# KiCad board unibone.kicad_pcb (continued)
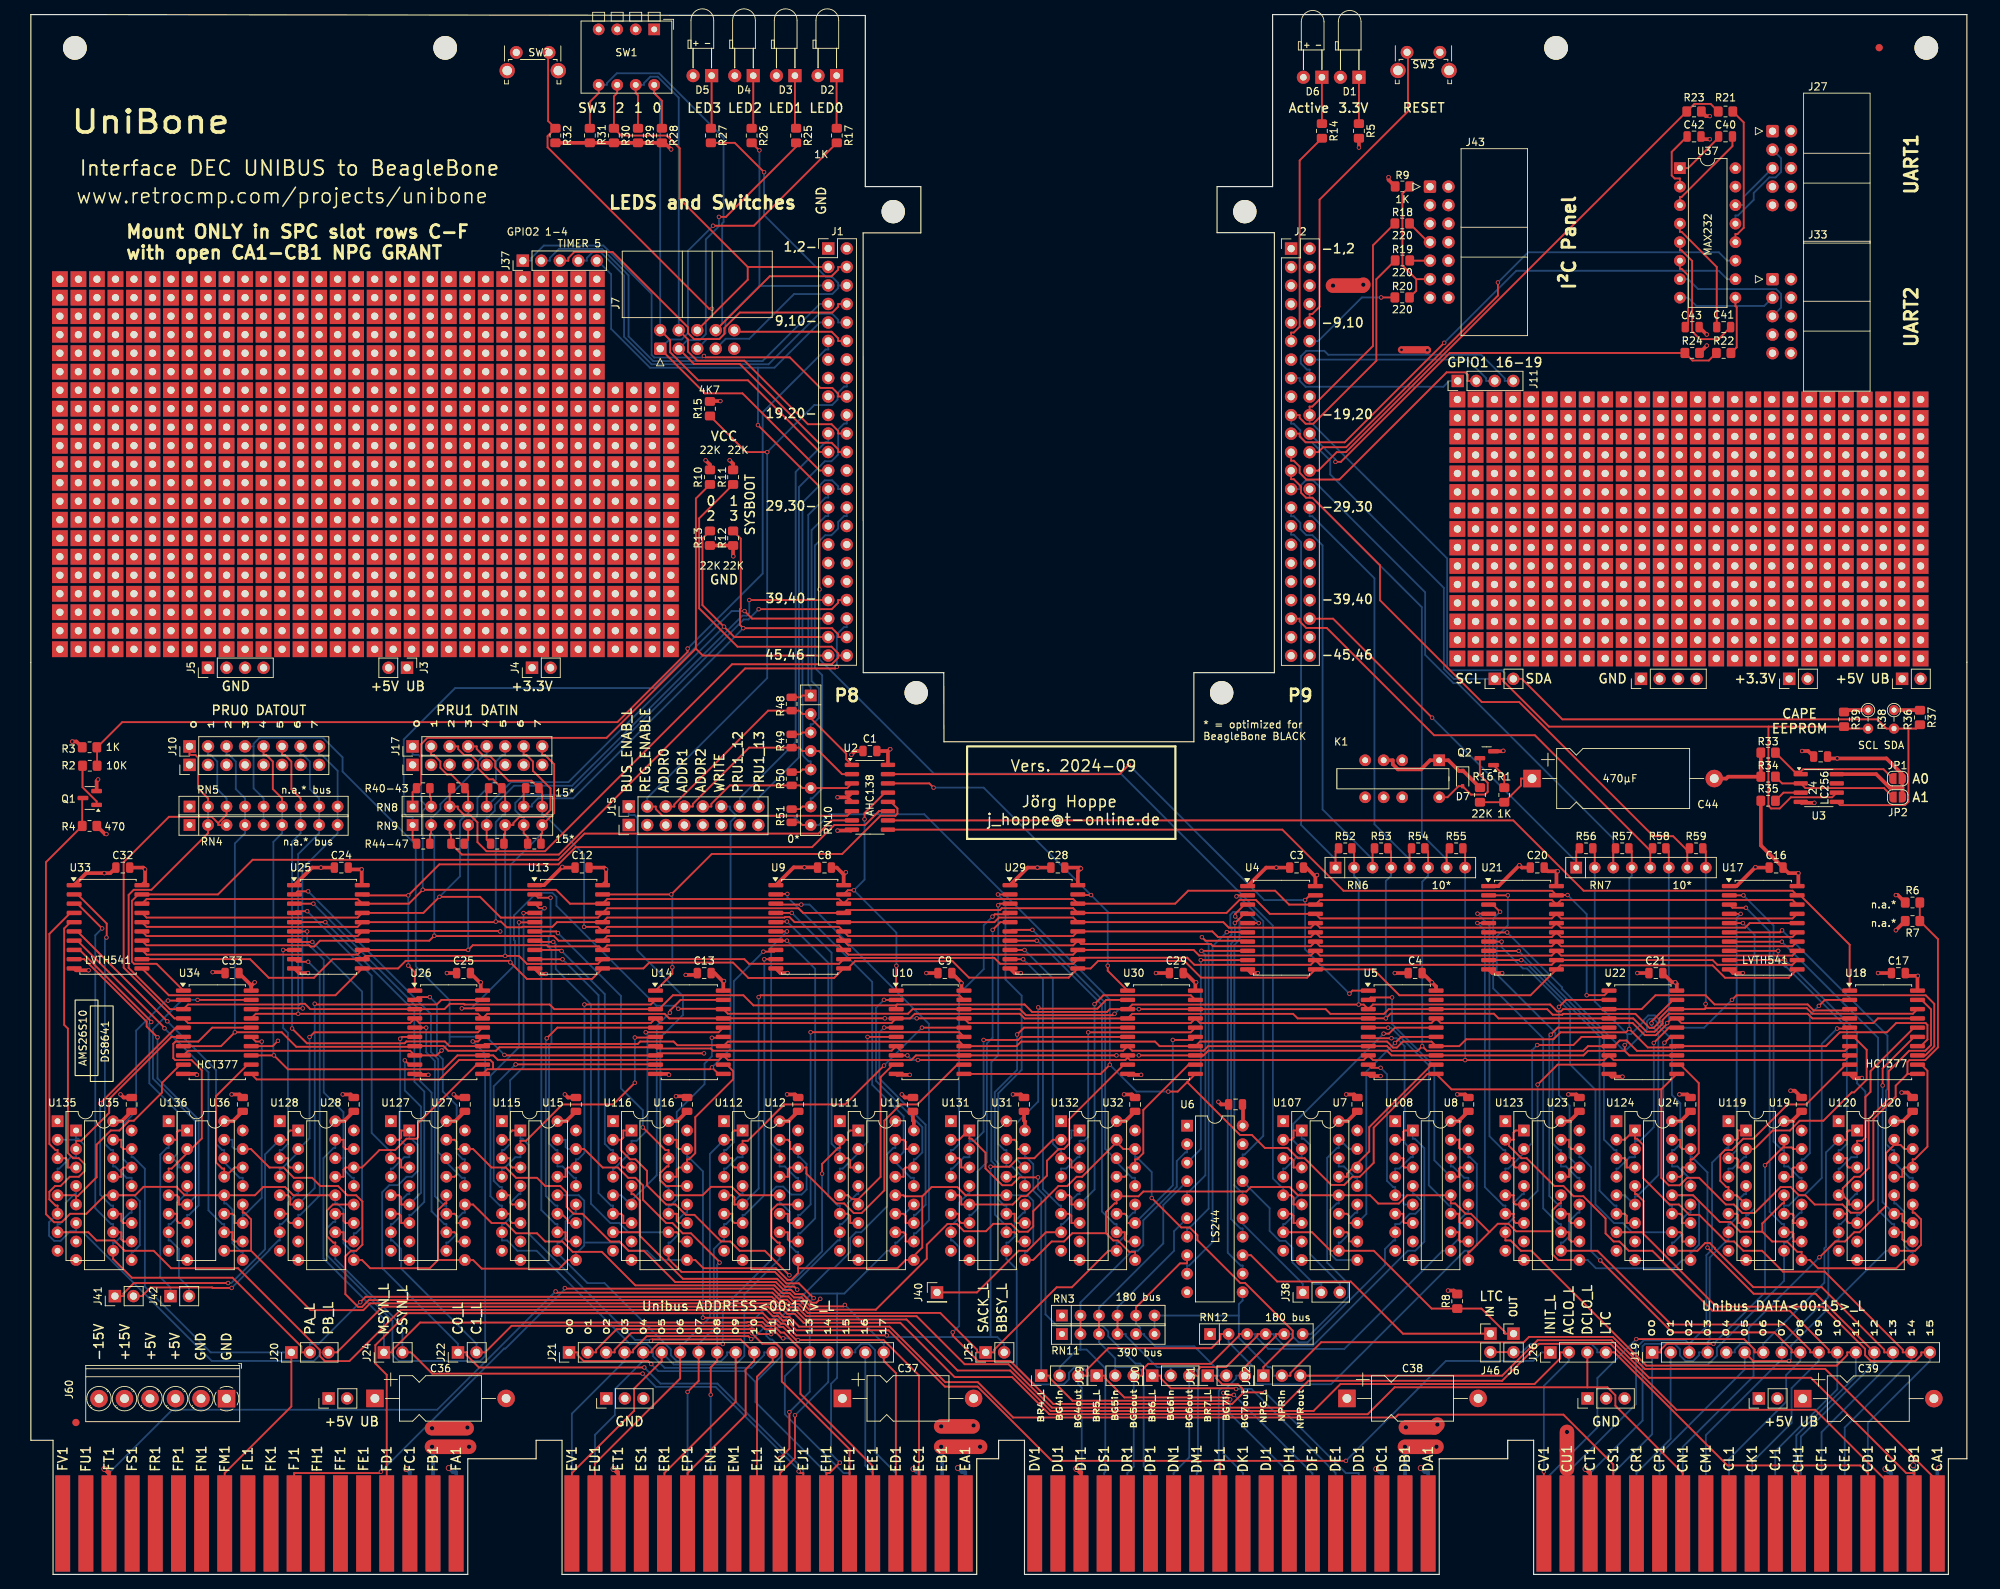
[diagram p0: board, top side]
## Routing (per net, layer and track width the routed paths; a pad name or vN(x,y) marks a point on that pad's centre or on a via; arc(x,y) is an arc through that point) (continued)
  Bottom w0.25: U112.12 102.73,50.92 102.96,50.92 104.14,49.74 104.14,45.13 104.99,44.28 105.27,44.28 U12.9 ; U124.12 228.06,52.05 228.87,51.24 228.87,45.27 227.88,44.28 227.7,44.28 U24.9 226.57,43.16 225.44,42.03 214.71,42.03 213.58,43.16 U23.9 ; J15.1 82.03,104.23 82.83,104.23 83.2,103.87 83.2,85.65 89.47,79.38 89.47,76.8 86.36,73.7 86.36,54.02 87.21,53.17 87.49,53.17 U116.12 ; U131.12 136.76,52.05 137.52,51.29 137.52,45.19 136.62,44.28 136.38,44.28 U31.9 ; 75.92,45.56 75.92,51.3 75.16,52.05 U115.12 ; 75.92,45.56 75.92,45.13 75.07,44.28 74.79,44.28 U15.9 ; 75.92,45.56 80.88,45.56 82,44.43 84.54,44.43 85.81,43.16 U16.9 ; U35.9 13.83,44.28 14.03,44.28 14.95,45.21 14.95,51.25 14.15,52.05 U135.12 ; U120.12 255.64,50.92 255.87,50.92 257.05,49.74 257.05,45.13 257.89,44.28 258.18,44.28 U20.9 ; U28.9 44.31,44.28 44.07,44.28 42.89,45.47 42.89,50.08 42.05,50.92 41.77,50.92 U128.12 ; U36.9 29.07,44.28 28.83,44.28 27.65,45.47 27.65,50.08 26.81,50.92 26.53,50.92 U136.12 ; U7.9 179.11,43.16 178.3,43.97 178.3,50.07 179.15,50.92 179.44,50.92 U107.12
BUTTON: length 66.2
  Top w0.25: J7.10 96.71,170.59 109.86,170.59 110.76,169.68 110.76,169.32 J1.12 ; SW2.2 70.96,208.78 70.96,199.52 R32.1 70.89,197.44 70.89,195.91 93.06,173.74 v1(93.45,173.74)
  In2.Cu w0.25: v1(93.45,173.74) 96.4,170.79 J7.10
GPIO1_0__32: length 72.5
  Top w0.25: J1.25 108.22,151.54 97.63,162.13 92.47,162.13 J7.1 ; v1(93.59,185.14) 99.2,185.14 R17.2
  Bottom w0.25: J7.1 87.61,169.52 89.29,169.52 90.15,170.38 90.15,181.7 v1(93.59,185.14)
GPIO1_1__33: length 65.6
  Top w0.25: R25.2 104.99,195.98 95.35,186.35 v1(94.4,186.35) ; J1.24 110.76,154.08 110.76,154.44 109.86,155.35 108.07,155.35 97.25,166.17 90.97,166.17 J7.3
  Bottom w0.25: J7.3 90.06,169.43 91.77,169.43 92.6,170.26 92.6,183.26 94.4,185.06 v1(94.4,186.35)
GPIO1_2__34: length 42.7
  Top w0.25: v1(99.95,195.48) 99.93,195.48 R26.2
  Bottom w0.25: J7.5 92.79,169.62 94.49,169.62 95.3,170.43 95.3,172.21 99.95,176.87 ; J1.5 108.22,176.94 108.16,176.87 99.95,176.87 ; 99.95,176.87 99.95,176.87 v1(99.95,195.48)
GPIO1_3__35: length 51
  Top w0.25: R27.2 96.57,196.51 v1(100.59,192.49)
  Bottom w0.25: 110.76,176.94 J1.6 ; 110.76,176.94 110.76,177.28 109.92,178.12 109.07,178.12 100.59,186.6 v1(100.59,192.49) ; 110.76,176.94 110.76,176.57 109.95,175.76 104.71,175.76 98.57,169.62 95.33,169.62 J7.7
GPIO1_4__36: length 71.4
  Top w0.25: R28.1 86.57,202.29 85.52,203.34 SW1.8 ; J7.2 87.71,169.43 87.71,167.77 91.56,163.92 98.38,163.92 108.22,154.08 J1.23
  Bottom w0.25: SW1.8 85.52,203.34 86.34,202.52 J7.2
GPIO1_5__37: length 75.8
  Top w0.25: J7.4 90.15,169.52 90.15,167.86 91.39,166.62 97.88,166.62 106.61,157.89 109.86,157.89 110.76,156.98 110.76,156.62 J1.22 ; SW1.7 82.98,203.34 83.3,203.03 R29.1
  Bottom w0.25: J7.4 88.88,202.72 86,205.6 85,205.6 84.11,204.7 84.11,204.47 SW1.7
GPIO1_6__38: length 59.1
  Top w0.25: J7.6 98.35,177.72 98.35,179.48 ; J1.3 98.35,179.48 ; 98.35,179.48 89.02,188.81 89.02,195.76 87.26,197.51 80.99,197.51 R30.1 79.99,202.9 80.44,203.34 SW1.6
GPIO1_7__39: length 76.7
  Top w0.25: J1.4 110.76,179.48 110.76,179.11 109.86,178.21 101.38,178.21 J7.8 ; SW1.5 77.9,203.34 76.69,202.14 R31.1
  Bottom w0.25: SW1.5 79.03,204.47 79.03,204.7 80.39,206.07 86.18,206.07 95.04,197.21 95.04,185.65 94.85,185.46 94.85,171.68 J7.8
GPIO1_14__46: length 110.8
  Top w0.25: J15.2 85.74,105.41 85.74,105.04 86.65,104.14 112,104.14 U2.6 ; v1(101.02,154.06) 98.12,154.06 R15.1
  Bottom w0.25: J1.16 111.94,163.06 111.57,163.06 110.67,162.16 110.67,161.27 109.92,160.52 107.48,160.52 v1(101.02,154.06) 101.02,123.04 84.57,106.59 J15.2
GPIO1_16_48: length 23.9
  Bottom w0.25: J11.1 194.58,163.83 193.79,163.03 174.89,163.03 174.07,163.85 174.07,164.22 J2.15
GPIO1_17_49: length 35.2
  Top w0.25: J2.23 172.9,152.88 173.27,152.88 174.07,152.07 174.07,151.22 174.99,150.3 179.52,150.3 194.23,165.01 196.78,165.01 197.12,164.66 197.12,163.83 J11.2
GPIO1_18_50: length 26.8
  Bottom w0.25: J2.14 197.1,166.76 199.66,164.2 199.66,163.83 J11.3
GPIO1_19_51: length 35.1
  Bottom w0.25: J11.4 202.2,163.83 202.2,164.2 198.97,167.43 177.99,167.43 177.45,167.96 174.98,167.96 174.22,167.21 174.22,166.24 175.07,165.39 175.44,165.39 J2.16
GPIO2_1_65: length 59.4
  Top w0.25: J1.18 110.76,161.7 110.76,162.06 109.95,162.87 108.32,162.87 104.12,167.07 92.53,167.07 v1(92.34,167.26)
  Bottom w0.25: v1(92.34,167.26) 92.13,167.05 85.53,167.05 85.17,167.41 85.17,175.79 78.54,182.42 70.37,182.42 68.66,180.71 68.66,180.34 J37.1
GPIO2_2_66: length 54.8
  Bottom w0.25: J1.7 108.22,174.4 100.39,166.56 85.37,166.56 82,169.94 82,178.32 78.35,181.97 72.47,181.97 71.2,180.71 71.2,180.34 J37.2
GPIO2_3_67: length 48.2
  Top w0.25: J37.3 73.74,180.34 73.74,180.71 74.57,181.54 79.81,181.54 90.15,171.19 90.15,170.4 90.97,169.58 94.45,169.58 95.14,170.27 95.14,171.09 97.27,173.22 109.95,173.22 110.76,174.03 110.76,174.4 J1.8
GPIO2_4_68: length 52.4
  Bottom w0.25: J37.4 76.28,180.34 76.28,180.71 77.1,181.52 78.17,181.52 81.39,178.3 81.39,169.89 85.17,166.11 101.21,166.11 108.14,173.05 109.94,173.05 110.76,172.22 110.76,171.86 J1.10
I2C2_SCL: length 158.1
  Top w0.25: 238.39,116.38 238.39,105.5 238.74,105.14 239.94,105.14 241.47,106.68 247.13,106.68 U3.6 ; 238.39,116.38 208.27,116.38 202.01,122.64 202.01,122.94 J59.1 ; 238.39,116.38 R39.2 249.02,116.11 R38.2 ; J2.19 174.07,159.14 174.07,158.77 174.89,157.96 175.94,157.96 184.59,166.61 184.59,177.79 R19.1
  Bottom w0.25: J2.19 172.9,157.96 173.26,157.96 174.17,157.06 174.17,156.17 174.91,155.42 175.74,155.42 178.26,152.9 178.26,151.01 193.86,135.41 193.86,124.3 195.22,122.94 J59.1
I2C2_SDA: length 163.3
  Top w0.25: J2.20 175.44,160.31 175.81,160.31 184.13,168.64 184.13,182.44 R18.1 ; 257.59,116.11 257.59,106.06 257.13,105.6 248.21,105.6 U3.5 ; 257.59,116.11 R36.2 254.58,116.11 253.31,117.38 210.11,117.38 204.55,122.94 J59.2 ; 257.59,116.11 258.64,116.11 R37.2
  Bottom w0.25: J59.2 202.2,122.94 202.2,123.74 201.84,124.11 194.69,124.11 194.31,124.49 194.31,139.46 175.8,157.96 175.44,157.96 J2.20
LED_BUS_ACTIVITY: length 29.8
  Top w0.25: R14.2 174.07,194.1 174.07,171.28 173.27,170.47 172.9,170.47 J2.11
LTC_IN: length 38.5
  Top w0.25: U6.13 167.37,43.82 170.98,40.21 181.08,40.21 188.24,33.05 J46.1
LTC_OUT: length 52.9
  Top w0.25: U107.7 175.77,46.97 178.31,44.43 U107.9 184.25,44.43 192.18,36.5 R8.2 199.01,36.5 202.24,33.27 202.24,33.05 J6.1
  Bottom w0.25: U7.12 181.98,49.65 181.69,49.65 180.85,48.81 180.85,46.74 179.67,45.55 179.44,45.55 U107.9 ; U107.7 171.82,48.09 172.05,48.09 173.23,49.28 173.23,51.35 174.07,52.19 174.36,52.19 U7.4
NPG_IN_H: length 129.7
  Top w0.25: J32.2 172.8,27.28 172.8,27.65 177.03,31.87 204.81,31.87 205.54,32.61 217.03,32.61 221.44,28.2 246.18,28.2 J16.CA1
  Bottom w0.25: 165.73,35.54 165.73,32.47 169.74,28.46 170.09,28.46 170.45,28.1 170.45,27.28 J32.2 ; 165.73,35.54 165.73,37.09 166.25,37.61 U6.11 ; 165.73,35.54 RN3.6 RN11.6
NPG_OUT_H: length 135.5
  Top w0.25: J16.CB1 258.37,13.92 257.29,13.92 244.21,27 222.01,27 216.86,32.15 206.71,32.15 201.85,27.28 175.34,27.28 J32.3
  In1.Cu w0.25: J32.3 174.17,28.46 174.48,28.77 RN12.6
  Bottom w0.25: 179.44,59.11 179.44,58.54 179.2,58.54 177.84,57.18 177.84,42.8 180.77,39.88 180.77,38.16 175.61,33 RN12.6 ; 179.44,59.11 180.14,59.11 180.85,58.4 U7.15 ; 179.44,59.11 U107.15
PANEL_RESET_L: length 14.2
  Top w0.25: R20.1 v1(185.25,175.29)
  Bottom w0.25: J2.12 176.61,169.3 182.61,175.29 v1(185.25,175.29)
PRU0_00: length 52.4
  Top w0.25: R52.1 178.99,99.26 RN6.1
  Bottom w0.25: RN6.1 178.99,98.15 174.26,102.88 174.26,141.72 173.26,142.72 172.9,142.72 J2.31
PRU0_01: length 57.5
  Top w0.25: R53.1 184.07,99.41 RN6.3
  Bottom w0.25: RN6.3 184.07,98.15 177.21,105.01 177.21,141.25 175.81,142.66 174.99,142.66 174.17,143.48 174.17,144.36 173.26,145.26 172.9,145.26 J2.29
PRU0_02: length 58.1
  Top w0.25: RN6.5 189.15,99.41 R54.1
  Bottom w0.25: RN6.5 189.15,98.15 184.33,102.98 184.33,136.74 175.8,145.26 175.44,145.26 J2.30
PRU0_03: length 62.8
  Top w0.25: RN6.7 194.23,99.28 R55.1
  Bottom w0.25: RN6.7 194.23,98.15 190.84,101.55 190.84,132.77 175.8,147.8 175.44,147.8 J2.28
PRU0_04: length 54.2
  Top w0.25: RN7.1 212.01,99.23 R56.1 ; v1(192.24,117.61) 178.65,131.2 J2.42
  Bottom w0.25: v1(192.24,117.61) 211.7,98.15 212.01,98.15 RN7.1
PRU0_05: length 77
  Top w0.25: R57.1 217.09,99.36 RN7.3
  Bottom w0.25: RN7.3 217.09,100.99 195.74,122.34 195.18,122.34 191.29,126.23 191.29,134.82 175.94,150.17 174.9,150.17 174.07,149.34 174.07,148.98 J2.27
PRU0_06: length 65.5
  Top w0.25: 222.17,99.36 206.34,115.2 192.51,115.2 177.78,129.93 174.98,129.93 174.07,130.83 174.07,131.2 J2.41 ; 222.17,99.36 RN7.5 ; 222.17,99.36 R58.1
PRU0_07: length 82.7
  Top w0.25: 227.25,99.38 225.3,101.34 222.61,101.34 204.19,119.75 199.06,119.75 185.09,133.72 185.09,138.52 175.81,147.8 174.95,147.8 174.26,148.49 174.26,149.34 173.26,150.34 172.9,150.34 J2.25 ; 227.25,99.38 RN7.7 ; 227.25,99.38 R59.1
PRU1_00/SYSBOOT0: length 94.1
  Top w0.25: 91.24,127.09 78.99,114.84 54.42,114.84 53.55,113.97 53.55,108.56 R40.1 52.37,107.38 RN8.1 ; 91.24,127.09 91.24,147.69 R10.2 ; 91.24,127.09 92.19,126.14 J1.45
PRU1_01/SYSBOOT1: length 113.6
  Top w0.25: R41.1 57.45,107.66 RN8.3 58.58,105.41 58.58,105.13 59.42,104.28 60.23,104.28 61.27,103.24 61.27,100.52 62.52,99.28 70.54,99.28 96.21,124.94 109.86,124.94 110.77,125.85 110.77,126.14 ; J1.46 110.77,126.14 ; 110.77,126.14 110.77,126.42 109.84,127.35 96.95,127.35 91.69,132.62 91.69,144.97 R11.2
PRU1_02/SYSBOOT2: length 75.1
  Top w0.25: R42.1 62.53,107.66 RN8.5 ; R13.1 92.14,142.21 92.14,133.06 v1(95.1,130.1) 96.52,128.68 J1.43
  Bottom w0.25: RN8.5 65.89,108.76 73.76,108.76 v1(95.1,130.1)
PRU1_03/SYSBOOT3: length 72
  Top w0.25: RN8.7 67.61,107.66 R43.1 ; R12.1 97.4,142.18 97.4,132.61 97.29,132.5 97.29,130.34 v1(97.74,129.89) 109.92,129.89 110.76,129.04 110.76,128.68 J1.44
  Bottom w0.25: RN8.7 68.74,105.41 68.74,105.69 69.58,106.54 74.39,106.54 v1(97.74,129.89)
PRU1_04/SYSBOOT4: length 81.4
  Top w0.25: J1.41 98.94,131.22 v1(97.91,132.24) ; RN9.1 52.37,100.85 R44.1
  Bottom w0.25: RN9.1 52.37,104 51.67,104 51.16,104.51 51.16,114.62 58.21,121.67 85.58,121.67 96.15,132.24 v1(97.91,132.24)
PRU1_05: length 74.3
  Top w0.25: v1(110.57,124.59) 110.35,124.36 97.99,124.36 72.45,98.82 59.13,98.82 R45.1 57.64,101.56 57.45,101.74 RN9.3
  Bottom w0.25: v1(110.57,124.59) 110.57,129.04 111.57,130.04 111.94,130.04 J1.42
PRU1_06: length 64.6
  Top w0.25: J1.39 v1(98.56,133.76) ; R46.1 62.53,100.85 RN9.5
  Bottom w0.25: v1(98.56,133.76) 98.56,131.98 98.2,131.61 97.61,131.61 74.26,108.26 66.27,108.26 63.66,105.64 63.66,104.84 62.82,104 62.53,104 RN9.5
PRU1_07: length 63.7
  Top w0.25: R47.1 68.16,101.2 67.61,101.74 RN9.7 ; v1(99.85,132.5) 109.87,132.5 110.76,133.39 110.76,133.76 J1.40
  Bottom w0.25: v1(99.85,132.5) 98.45,131.09 97.8,131.09 73.69,106.99 67.56,106.99 66.47,105.89 66.47,104.86 67.33,104 67.61,104 RN9.7
PRU1_08: length 32.5
  Top w0.25: R48.1 105.61,120.4 105.86,120.65 RN10.1
  Bottom w0.25: J1.27 109.4,147.82 109.03,147.82 106.66,145.44 106.66,122.1 106.98,121.78 RN10.1
PRU1_09: length 35.8
  Top w0.25: R49.1 105.61,115.32 105.86,115.57 RN10.3
  Bottom w0.25: J1.29 109.4,145.28 109.03,145.28 107.11,143.36 107.11,122.62 108.11,121.63 108.11,117.56 107.25,116.7 106.98,116.7 RN10.3
PRU1_10: length 48.1
  Top w0.25: R50.1 105.5,110.14 105.86,110.49 RN10.5
  Bottom w0.25: RN10.5 106.98,111.62 106.7,111.62 105.86,112.46 105.86,147.14 108.91,150.19 109.94,150.19 110.76,149.36 110.76,149 J1.28
PRU1_11: length 47.5
  Top w0.25: RN10.7 105.86,105.41 105.5,105.06 R51.1
  Bottom w0.25: RN10.7 106.98,106.54 107.22,106.54 108.56,107.88 108.56,123.44 107.57,124.44 107.57,141.24 108.97,142.65 109.83,142.65 110.76,143.58 110.76,144.47 111.57,145.28 111.94,145.28 J1.30
PRU1_12: length 56.4
  Bottom w0.25: J1.21 109.4,155.44 109.03,155.44 104.93,151.34 104.93,114.25 97.27,106.59 J15.7
PRU1_13: length 59.5
  Bottom w0.25: J1.20 111.94,157.98 111.57,157.98 110.76,157.17 110.76,153.74 109.83,152.81 108.93,152.81 105.38,149.26 105.38,112.16 99.81,106.59 J15.8
REG_ADR0: length 35.3
  Top w0.25: 106.42,118.11 111.87,112.66 111.87,111.89 U2.1 ; 106.42,118.11 RN10.2 ; 106.42,118.11 105.86,118.11 105.4,118.57 R48.2 101.15,118.57 88.28,105.71 88.28,105.41 J15.3
REG_ADR1: length 28.1
  Top w0.25: U2.2 111.28,109.85 108.11,113.03 RN10.4 105.86,113.03 105.4,113.49 R49.2 98.54,113.49 90.82,105.78 90.82,105.41 J15.4
REG_ADR2: length 22.3
  Top w0.25: U2.3 112,107.95 RN10.6 105.86,107.95 105.5,108.31 R50.2 95.9,108.31 93.36,105.78 93.36,105.41 J15.5
REG_DATIN_0: length 257.2
  Top w0.25: U17.18 241.68,92.58 209.93,92.58 U21.18 208.67,92.57 176.86,92.57 U4.18 172.62,91.95 170.71,93.85 158.77,93.85 156.99,92.07 U29.18 143,92.71 112.14,92.71 U9.18 110.87,92.71 79.08,92.71 U13.18 73.96,92.07 72.06,93.98 v1(53.77,93.98) 51.86,92.07 U25.18 44.83,92.71 15.88,92.71 U33.18 ; RN8.2 54.91,106.54 54.74,106.71 R40.2
  Bottom w0.25: RN8.2 54.35,105.41 ; 54.35,105.41 53.55,106.21 53.55,112.12 53.18,112.49 52.37,112.49 J17.1 ; 54.35,105.41 53.77,104.82 v1(53.77,93.98)
REG_DATIN_1: length 258.7
  Top w0.25: U17.17 241.68,90.04 209.93,90.04 U21.17 208.67,90.05 176.86,90.05 U4.17 169.97,90.68 168.06,92.58 165.82,92.58 164.04,90.81 U29.17 142.99,91.45 133.2,91.45 132.95,91.2 111.9,91.2 U9.17 105.96,90.81 105.32,91.44 79.08,91.44 U13.17 77.8,90.16 64.47,90.16 61.62,93.02 v1(56.06,93.02) 53.85,90.81 U25.17 44.83,90.17 15.88,90.17 U33.17 ; J17.2 54.91,112.49 55.28,112.49 56.18,111.59 56.18,110.72 57.1,109.81 57.67,109.81 R41.2 59.99,107.48 RN8.4
  Bottom w0.25: v1(56.06,93.02) 58.87,95.82 58.87,103.44 59.71,104.28 59.99,104.28 RN8.4
REG_DATIN_2: length 260.4
  Top w0.25: U33.16 15.89,88.89 44.82,88.89 U25.16 63.7,89.53 v1(63.79,89.62) 64.49,89.62 65.28,88.83 67.37,88.83 67.44,88.9 71.55,88.9 72.18,89.53 U13.16 79.08,90.17 103.4,90.17 103.48,90.25 104.07,90.25 104.78,89.53 U9.16 132.19,89.53 132.83,90.17 143,90.17 U29.16 163.6,89.53 164.35,88.78 175.61,88.78 U4.16 176.86,88.78 208.67,88.78 U21.16 209.92,88.78 235.19,88.78 235.81,89.41 U17.16 ; J17.3 58.63,113.66 58.63,113.3 59.44,112.49 60.36,112.49 61.36,111.49 61.36,110.64 62.85,109.14 63.41,109.14 R42.2 65.07,107.48 RN8.6
  Bottom w0.25: v1(63.79,89.62) 63.79,103.28 64.79,104.28 65.07,104.28 RN8.6
REG_DATIN_3: length 265.4
  Top w0.25: v1(64.39,88.26) 64.32,88.33 45.53,88.33 44.84,87.63 15.87,87.63 15.24,88.26 ; J17.4 61.17,113.66 61.17,113.3 62.17,112.3 63.02,112.3 63.71,111.61 63.71,110.77 65.52,108.96 68.68,108.96 R43.2 70.15,107.48 RN8.8 ; U17.15 241.69,87.51 209.92,87.51 U21.15 208.66,87.5 176.87,87.5 U4.15 175.6,87.5 162.86,87.5 162.09,88.26 143.64,88.26 143,87.63 112.14,87.63 110.88,88.89 79.07,88.89 78.44,88.26 77.82,88.89 v1(75.9,88.89)
  In1.Cu w0.25: v1(75.9,88.89) 72.28,88.89 71.65,88.26 v1(64.39,88.26)
  Bottom w0.25: v1(75.9,88.89) 75.9,98.82 70.44,104.28 70.15,104.28 RN8.8
REG_DATIN_4: length 263.4
  Top w0.25: U17.14 241.68,86.23 209.94,86.23 U21.14 208.66,86.23 176.87,86.23 U4.14 175.6,86.23 162.19,86.23 161.89,86.54 144.1,86.54 U29.14 142.99,86.35 112.15,86.35 U9.14 110.86,87.64 79.09,87.64 U13.14 72.39,87 71.77,87.62 55.41,87.62 v1(55.35,87.68) 54.67,87 U25.14 39.68,87 38.88,86.2 38.36,86.2 38.2,86.36 15.88,86.36 U33.14 ; R44.2 54.74,101.57 54.91,101.74 RN9.2
  Bottom w0.25: v1(55.35,87.68) 55.35,101.31 54.91,101.74 RN9.2 54.91,104 55.15,104 56.18,105.03 56.18,105.74 57.79,107.35 57.9,107.35 61.36,110.8 61.36,111.68 62.17,112.49 62.53,112.49 J17.5
REG_DATIN_5: length 263.9
  Top w0.25: RN9.4 59.99,100.84 R45.2 ; U33.13 15.89,85.08 44.82,85.08 U25.13 v1(59.99,85.72) 60.64,86.37 70.79,86.37 70.96,86.2 71.93,86.2 71.94,86.22 77.95,86.22 U13.13 79.07,86.35 110.88,86.35 U9.13 112.15,85.08 142.99,85.08 U29.13 159.52,85.72 160.28,84.96 175.6,84.96 U4.13 176.88,84.95 208.65,84.95 U21.13 209.94,84.95 241.67,84.95 U17.13
  Bottom w0.25: v1(59.99,85.72) RN9.4 61.26,104.14 61.26,106.58 63.8,109.12 63.8,111.59 64.71,112.49 65.07,112.49 J17.6
REG_DATIN_6: length 271.4
  Top w0.25: R46.2 64.9,101.57 65.07,101.74 RN9.6 66.2,102.87 66.2,103.15 67.04,104 70.35,104 71.29,104.94 71.29,107.9 68.88,110.31 68.88,111.59 67.98,112.49 67.61,112.49 J17.7 ; U17.12 241.67,83.68 231.38,83.68 230.73,84.33 U21.12 208.65,83.68 176.88,83.68 U4.12 175.59,83.68 159.63,83.68 158.65,84.66 143.84,84.66 U29.12 143,83.82 132.99,83.82 132.18,84.63 111.68,84.63 U9.12 110.87,83.82 98.53,83.82 97.89,84.45 U13.12 77.8,83.81 68.07,83.81 66.97,84.91 v1(65.07,84.91) 45.92,84.91 U25.12 41.39,84.45 38.84,81.91 32.63,81.91 30.08,84.45 U33.12
  Bottom w0.25: RN9.6 v1(65.07,84.91)
REG_DATIN_7: length 277.7
  Top w0.25: U33.11 18.92,79.5 41.78,79.5 U25.11 50.38,83.19 51.43,84.23 65.57,84.23 v1(65.79,84.01) 68.05,81.75 77,81.75 U13.11 84.03,83.19 84.84,83.99 96.33,83.99 98.44,81.88 110.2,81.88 U9.11 112.08,83.19 113.07,84.18 126.45,84.18 128.7,81.92 142.38,81.92 U29.11 145.4,83.19 146.42,84.21 158.26,84.21 160.54,81.92 175.1,81.92 U4.11 184.2,83.06 187.76,79.5 205.74,79.5 U21.11 209.85,83.61 230.73,83.61 232.43,81.9 241.16,81.9 U17.11 ; J17.8 70.15,112.49 70.52,112.49 71.8,111.22 71.8,104.51 RN9.8 70.15,101.74 69.98,101.57 R47.2
  Bottom w0.25: RN9.8 70.15,101.74 65.79,97.38 v1(65.79,84.01)
REG_DATOUT_0: length 304.9
  Top w0.25: R52.2 181.53,99.38 RN6.2 ; U18.3 249.35,77.42 244.59,77.42 243.76,78.25 231,78.25 229.74,79.5 222.89,79.5 220.98,77.6 U22.3 210.22,77.6 209.9,77.28 209.38,77.28 208.44,78.23 184.12,78.23 U5.3 182.86,78.23 v1(182.17,78.23) 151.1,78.23 U30.3 148.02,77.6 147.64,77.22 137.36,77.22 136.34,78.23 118.84,78.23 118.72,78.11 ; RN5.2 24.31,106.54 22.94,107.9 22.94,112.12 22.58,112.49 21.77,112.49 J10.1 ; 118.72,78.11 99.14,78.11 97.75,79.5 88.09,79.5 86.18,77.6 U14.3 71.82,77.6 71.19,78.23 59.48,78.23 59.39,78.33 57.47,78.33 56.74,77.6 U26.3 38.34,77.6 37.6,78.34 36.98,78.34 36.87,78.23 21.56,78.23 U34.3 19.08,77.6 13.41,83.26 13.41,93.28 14.11,93.98 16.54,93.98 24.31,101.74 RN4.2 ; 118.72,78.11 U10.3
  Bottom w0.25: RN6.2 181.53,95.9 182.17,95.27 v1(182.17,78.23) ; RN5.2 RN4.2
REG_DATOUT_1: length 313.1
  Top w0.25: RN5.3 26.85,104.28 25.69,103.13 ; RN4.3 25.72,102.87 25.72,103.1 25.69,103.13 ; 25.69,103.13 24.82,104 18.95,104 12.74,97.79 12.74,83.3 19.71,76.33 U34.4 21.56,75.69 52.04,75.69 U26.4 53.3,75.7 85.07,75.7 U14.4 86.32,75.7 118.09,75.7 U10.4 120.64,76.33 121.27,76.96 135.7,76.96 136.34,76.32 150.46,76.32 U30.4 151.09,76.95 173.17,76.95 173.8,76.33 U5.4 183.49,76.33 v1(185.89,76.33) 186.54,76.97 200.71,76.97 201.36,76.33 U22.4 219.83,76.33 221.66,74.5 222.76,74.5 223.87,75.61 223.87,76.12 224.71,76.96 243.77,76.96 244.41,76.33 U18.4 ; RN6.4 186.61,99.23 R53.2
  Bottom w0.25: RN5.3 26.85,106.54 25.58,107.81 25.58,111.59 24.67,112.49 24.31,112.49 J10.2 ; RN6.4 186.61,95.9 185.89,95.18 v1(185.89,76.33)
REG_DATOUT_2: length 303.4
  Top w0.25: 85.7,72.36 U14.7 ; 85.7,72.36 85.87,72.19 93.28,72.19 93.58,71.89 118.09,71.89 U10.7 119.34,71.89 149.84,71.89 U30.7 151.09,71.89 160.89,71.89 161.52,72.52 U5.7 186.06,72.52 186.7,71.87 190.25,71.87 v1(190.88,72.51) 191.51,71.88 213,71.88 213.63,72.52 U22.7 217.2,72.52 217.97,73.29 218.92,73.29 220.34,71.87 248.88,71.87 U18.7 ; 85.7,72.36 64.29,72.36 63.81,71.88 57.27,71.88 56.6,72.54 52.7,72.54 U26.7 52.59,72.43 36.41,72.43 34.42,74.42 v1(27.99,74.42) 26.09,72.52 U34.7 ; RN6.6 191.69,99.23 R54.2
  Bottom w0.25: v1(190.88,72.51) 190.88,95.09 191.69,95.9 RN6.6 ; J10.3 26.85,112.49 27.21,112.49 28.12,111.59 28.12,107.81 29.39,106.54 RN5.4 RN4.4 29.39,101.74 27.99,100.35 v1(27.99,74.42)
REG_DATOUT_3: length 335.8
  Top w0.25: R55.2 196.77,99.35 RN6.8 ; 150.47,70.93 U30.8 ; 150.47,70.93 150.79,70.61 182.85,70.61 U5.8 184.13,70.6 v1(196.77,70.6) 215.86,70.6 U22.8 217.14,70.61 248.89,70.61 U18.8 ; 150.47,70.93 150.15,70.61 v1(121.7,70.61) ; U10.8 v1(120.26,71.25) ; v1(92.35,71.53) 85.98,71.53 U14.8 65.04,71.25 v1(64.98,71.31) ; U34.8 21.56,71.88 52.04,71.88 U26.8 55.67,71.25 v1(56.34,71.92)
  In1.Cu w0.25: v1(92.35,71.53) 119.97,71.53 v1(120.26,71.25)
  Bottom w0.25: v1(120.26,71.25) 120.89,70.61 v1(121.7,70.61) ; v1(56.34,71.92) 57.45,73.03 57.45,73.81 ; 57.45,73.81 57.45,78.82 52.81,83.46 52.81,100.17 42.76,110.21 42.76,112.16 40.08,114.85 31.38,114.85 30.56,114.03 30.56,113.66 ; 57.45,73.81 62.48,73.81 v1(64.98,71.31) ; RN4.5 RN5.5 31.93,106.54 30.56,107.9 30.56,113.66 ; RN6.8 v1(196.77,70.6) ; 30.56,113.66 J10.4
REG_DATOUT_4: length 328.5
  Top w0.25: 218.66,71.87 219.29,71.25 U22.13 ; 218.66,71.87 213.62,71.87 213,71.25 U5.13 186.69,71.25 186.05,71.89 161.53,71.89 160.89,71.25 U30.13 v1(152.02,71.25) ; 218.66,71.87 v1(218.66,72.67) ; J10.5 31.93,112.49 32.29,112.49 33.2,111.59 33.2,107.81 34.47,106.54 RN5.6 ; RN7.2 214.55,99.4 R56.2 ; U34.13 v1(33.35,71.25) 35.26,69.34 56.62,69.34 58.53,71.25 U26.13 63.45,71.25 64.05,70.64 66.77,70.64 66.79,70.62 94.37,70.62 U14.13 95.63,70.61 120.79,70.61 121.43,71.25 U10.13 v1(148.94,71.25) ; v1(233.38,78.87) 234,79.49 259.96,79.49 261.14,78.32 261.14,72.49 259.9,71.25 U18.13
  Bottom w0.25: RN5.6 RN4.6 34.47,101.74 33.28,100.55 33.28,71.32 v1(33.35,71.25) ; 219.03,74.17 214.55,78.65 RN7.2 ; 219.03,74.17 219.53,74.17 221.27,75.9 221.27,76.1 221.9,76.73 222.8,76.73 223.64,75.9 223.64,75.65 224.24,75.04 229.55,75.04 v1(233.38,78.87) ; 219.03,74.17 219.03,73.03 v1(218.66,72.67) ; v1(148.94,71.25) v1(152.02,71.25)
REG_DATOUT_5: length 307.8
  Top w0.25: R57.2 219.63,99.27 RN7.4 ; v1(35.84,74.94) 37.87,72.91 51.27,72.91 51.52,73.16 56.8,73.16 57.44,72.52 U26.14 62.28,72.81 83.26,72.81 83.59,73.15 88.18,73.15 88.69,72.64 94.87,72.64 U14.14 95.62,73.14 127.39,73.14 U10.14 135.23,72.52 135.85,73.14 154.23,73.14 154.86,72.52 U30.14 160.4,73.15 186.06,73.15 186.89,72.32 187.41,72.32 188.22,73.14 192.17,73.14 U5.14 195.97,72.52 196.91,73.46 208.89,73.46 209.84,74.41 218.82,74.41 v1(219.29,74.88) 221.83,72.34 225.63,72.34 U22.14 246.27,72.52 248.17,74.42 254.64,74.42 255.91,75.69 259.94,75.69 260.2,75.44 260.2,73.43 259.28,72.52 U18.14 ; RN5.7 37.01,106.54 35.74,107.81 35.74,111.59 34.83,112.49 34.47,112.49 J10.6 ; U34.14 33.17,72.52 v1(33.9,73.25)
  In1.Cu w0.25: v1(35.84,74.94) 35.6,74.94 v1(33.9,73.25)
  Bottom w0.25: v1(219.29,74.88) 219.29,95.56 219.63,95.9 RN7.4 ; RN5.7 RN4.7 37.01,101.74 35.84,100.57 v1(35.84,74.94)
REG_DATOUT_6: length 296.6
  Top w0.25: v1(121.53,76.33) 128.01,76.33 U10.17 128.65,75.69 159.13,75.69 U30.17 160.41,75.69 192.15,75.69 U5.17 193.42,75.69 219.75,75.69 221.42,74.02 222.93,74.02 224.49,75.59 v1(224.49,75.69) 225.13,76.33 U22.17 226.45,75.68 252.76,75.68 253.4,76.33 U18.17 ; R58.2 224.71,99.27 RN7.6 ; v1(117.16,76.34) 95.01,76.34 U14.17 87.58,76.33 86.95,76.95 62.6,76.95 U26.17 61.34,76.96 v1(36.67,76.96) 30.86,76.96 U34.17
  Bottom w0.25: J10.7 37.01,112.49 37.37,112.49 38.28,111.59 38.28,107.81 39.55,106.54 RN5.8 RN4.8 39.55,101.74 36.67,98.87 v1(36.67,76.96) ; RN7.6 224.71,75.91 v1(224.49,75.69) ; v1(117.16,76.34) 121.53,76.34 v1(121.53,76.33)
REG_DATOUT_7: length 315.9
  Top w0.25: 229.76,77.72 243.65,77.72 244.4,76.97 258.2,76.97 U18.18 ; 229.76,77.72 229.63,77.6 U22.18 224.71,77.6 223.42,76.31 223.42,75.82 222.61,75.01 222.07,75.01 220.13,76.95 210.21,76.95 210.09,76.83 208.79,76.83 208.03,77.6 U5.18 186.28,77.6 185.63,76.95 178.28,76.95 177.64,77.6 U30.18 v1(152.01,77.6) ; 229.76,77.72 v1(229.76,78.31) ; v1(88.82,77.65) 94.95,77.65 U14.18 95.62,76.97 120.34,76.97 120.96,77.6 U10.18 135.7,77.6 136.53,76.77 148.48,76.77 v1(148.67,76.96) ; v1(37.3,77.7) 30.33,77.7 U34.18 ; RN7.8 229.79,99.25 R59.2 ; U26.18 61.87,77.7 v1(59.13,77.7)
  In1.Cu w0.25: v1(37.3,77.7) v1(59.13,77.7)
  Bottom w0.25: v1(148.67,76.96) 149.31,77.6 v1(152.01,77.6) ; RN7.8 229.79,78.35 v1(229.76,78.31) ; v1(37.3,77.7) 37.25,77.76 37.25,96.9 42.09,101.74 RN4.9 RN5.9 42.09,110.32 39.91,112.49 39.55,112.49 J10.8 ; v1(88.82,77.65) 88.4,78.07 85.82,78.07 72.11,91.79 72.11,93.01 71.55,93.56 69.38,93.56 66.28,90.46 66.28,87.08 66.41,86.95 66.41,83.67 60.44,77.7 v1(59.13,77.7)
REG_WRITE: length 397.4
  Top w0.25: 63.41,69.35 62.62,69.35 U26.11 ; 63.41,69.35 63.41,70.25 63.04,70.62 58.76,70.62 56.09,67.95 30.99,67.95 U34.11 ; 63.41,69.35 93.19,69.35 v1(93.44,69.6) 94.34,68.71 U14.11 ; 158.64,67.58 U30.11 ; 158.64,67.58 165.89,60.33 167.51,60.33 169.3,58.54 172.41,58.54 173.83,57.13 174.75,57.13 178.42,53.46 180.18,53.46 181.3,54.59 182.31,54.59 184.23,56.5 184.23,61.33 191.61,68.71 U5.11 194.91,66.59 223.69,66.59 ; 158.64,67.58 157.34,66.28 v1(156.04,66.28) ; 223.69,66.59 223.69,54.44 224.71,53.42 226.2,53.42 227.23,54.44 228.88,54.44 232.54,50.78 233.63,50.78 234.8,49.62 236.48,49.62 240.04,53.17 241.44,53.17 242.56,52.05 243.47,52.05 244.74,50.78 248.55,50.78 249.67,49.65 251.08,49.65 252.78,51.36 252.78,62.52 255.84,65.58 255.84,67.09 257.46,68.71 ; 223.69,66.59 U22.11 ; RN10.8 105.86,102.87 105.5,103.23 R51.2 ; R6.2 R7.1 261.64,87.2 261.64,72.35 259.89,70.6 257.71,70.6 257.46,70.35 257.46,68.71 ; 257.46,68.71 U18.11 ; U10.11 146.76,68.71 v1(148.02,69.97)
  Bottom w0.25: J15.6 95.9,105.41 95.9,105.04 96.81,104.14 ; 96.81,104.14 96,103.33 96,72.16 v1(93.44,69.6) ; 96.81,104.14 104.59,104.14 105.86,102.87 RN10.8 108.11,102.87 109.59,104.35 122.57,104.35 148.02,78.9 v1(148.02,69.97) 151.71,66.28 v1(156.04,66.28)
